# Altium PCB Relay_Ctrl.PcbDoc
Units mil, origin at the board's own origin, x right, y up, seen from the top; angles counter-clockwise.
Board outline 1422.11 x 1516.9 mil, 2 copper layers (Top Layer, Bottom Layer); 18 components, 13 nets, 51 pads, 58 vias.
Unrouted connection lines stored in the file: 16.
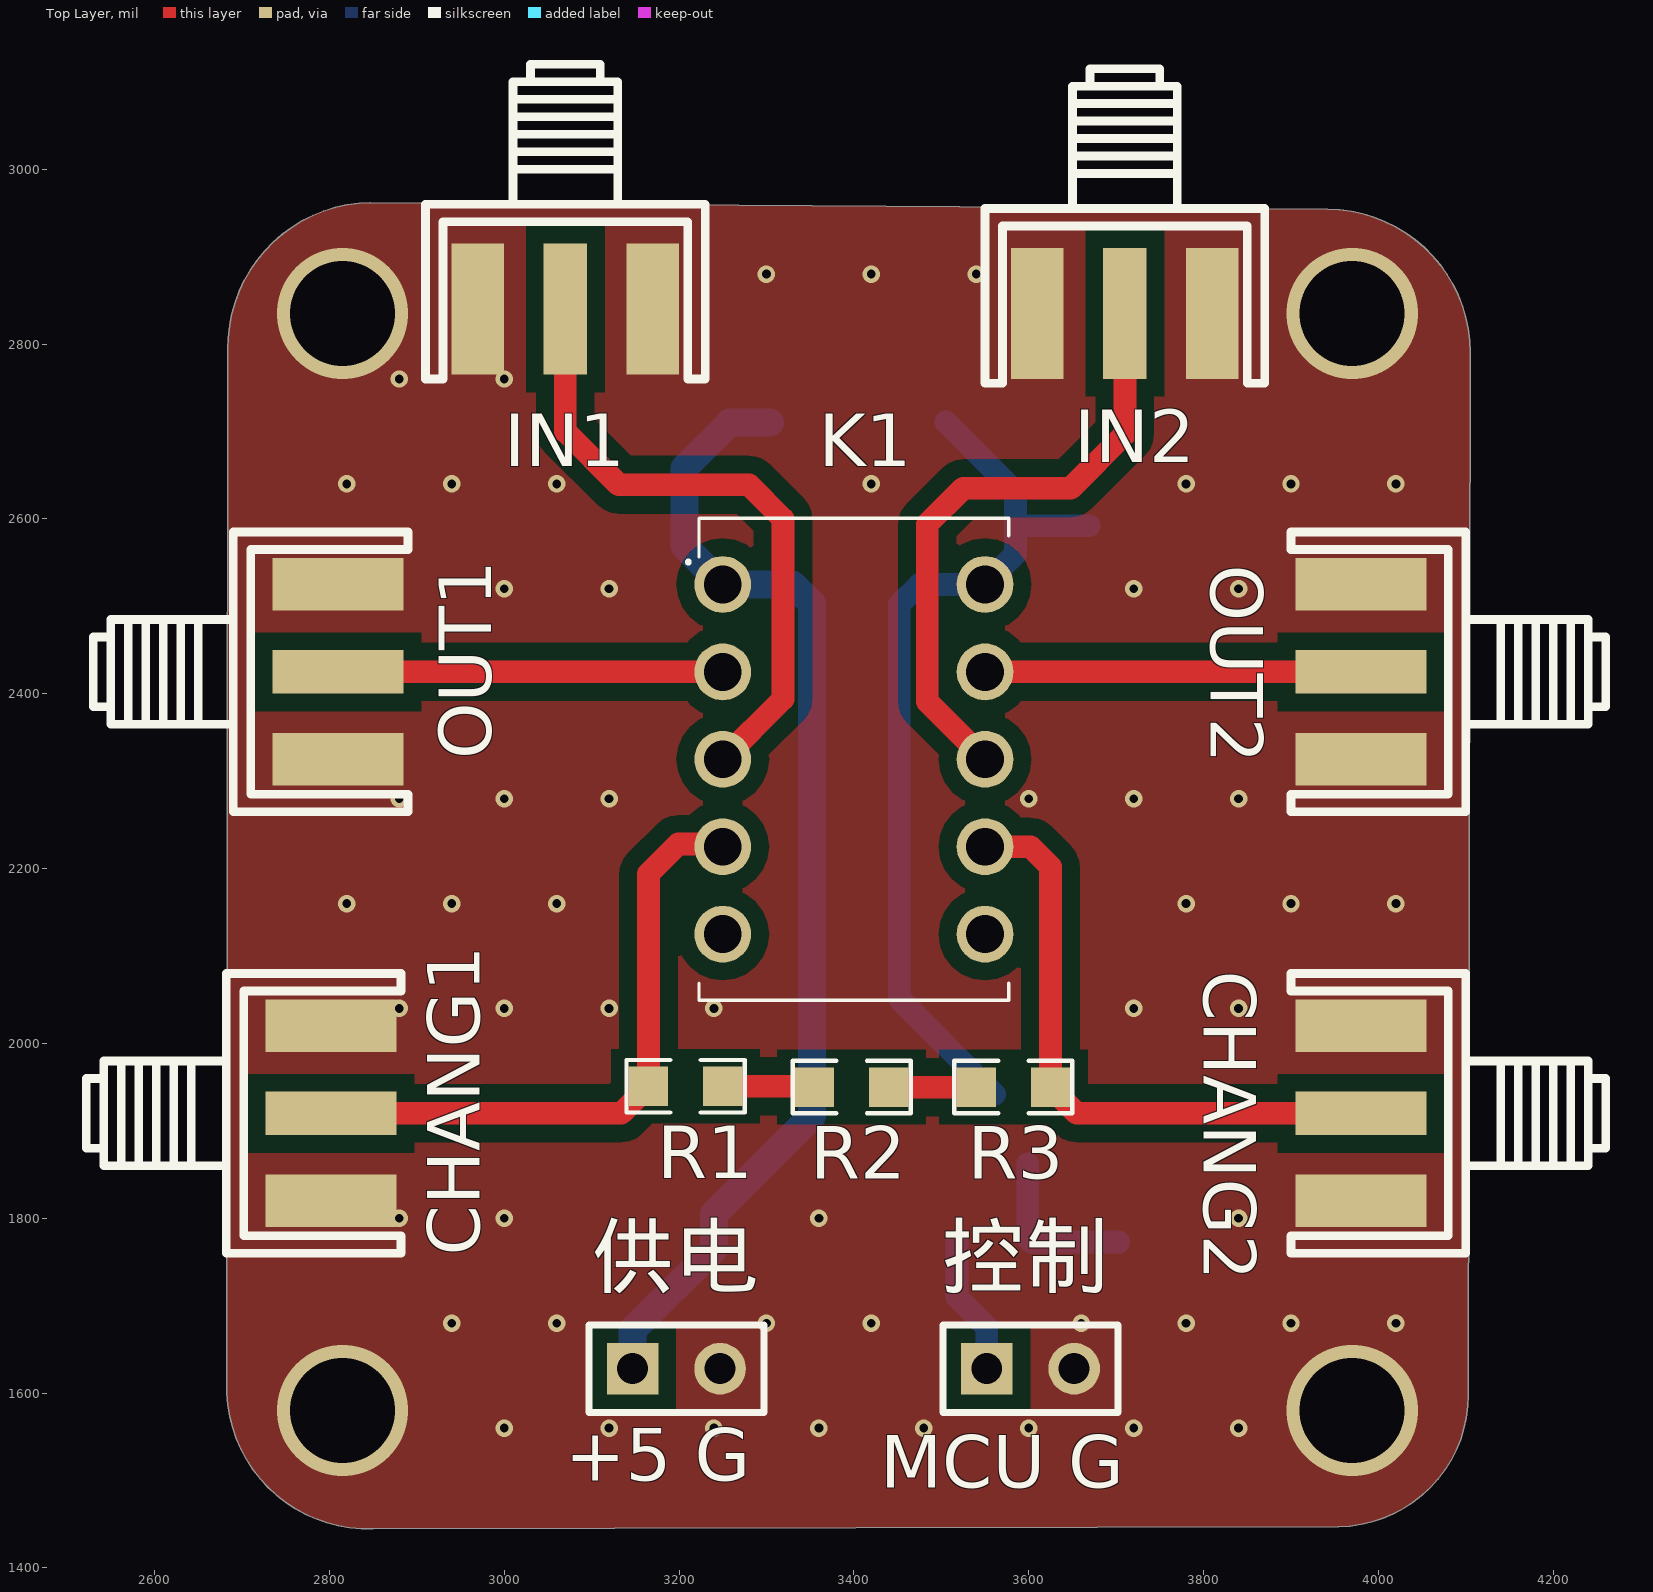
[diagram p0: Top Layer view]
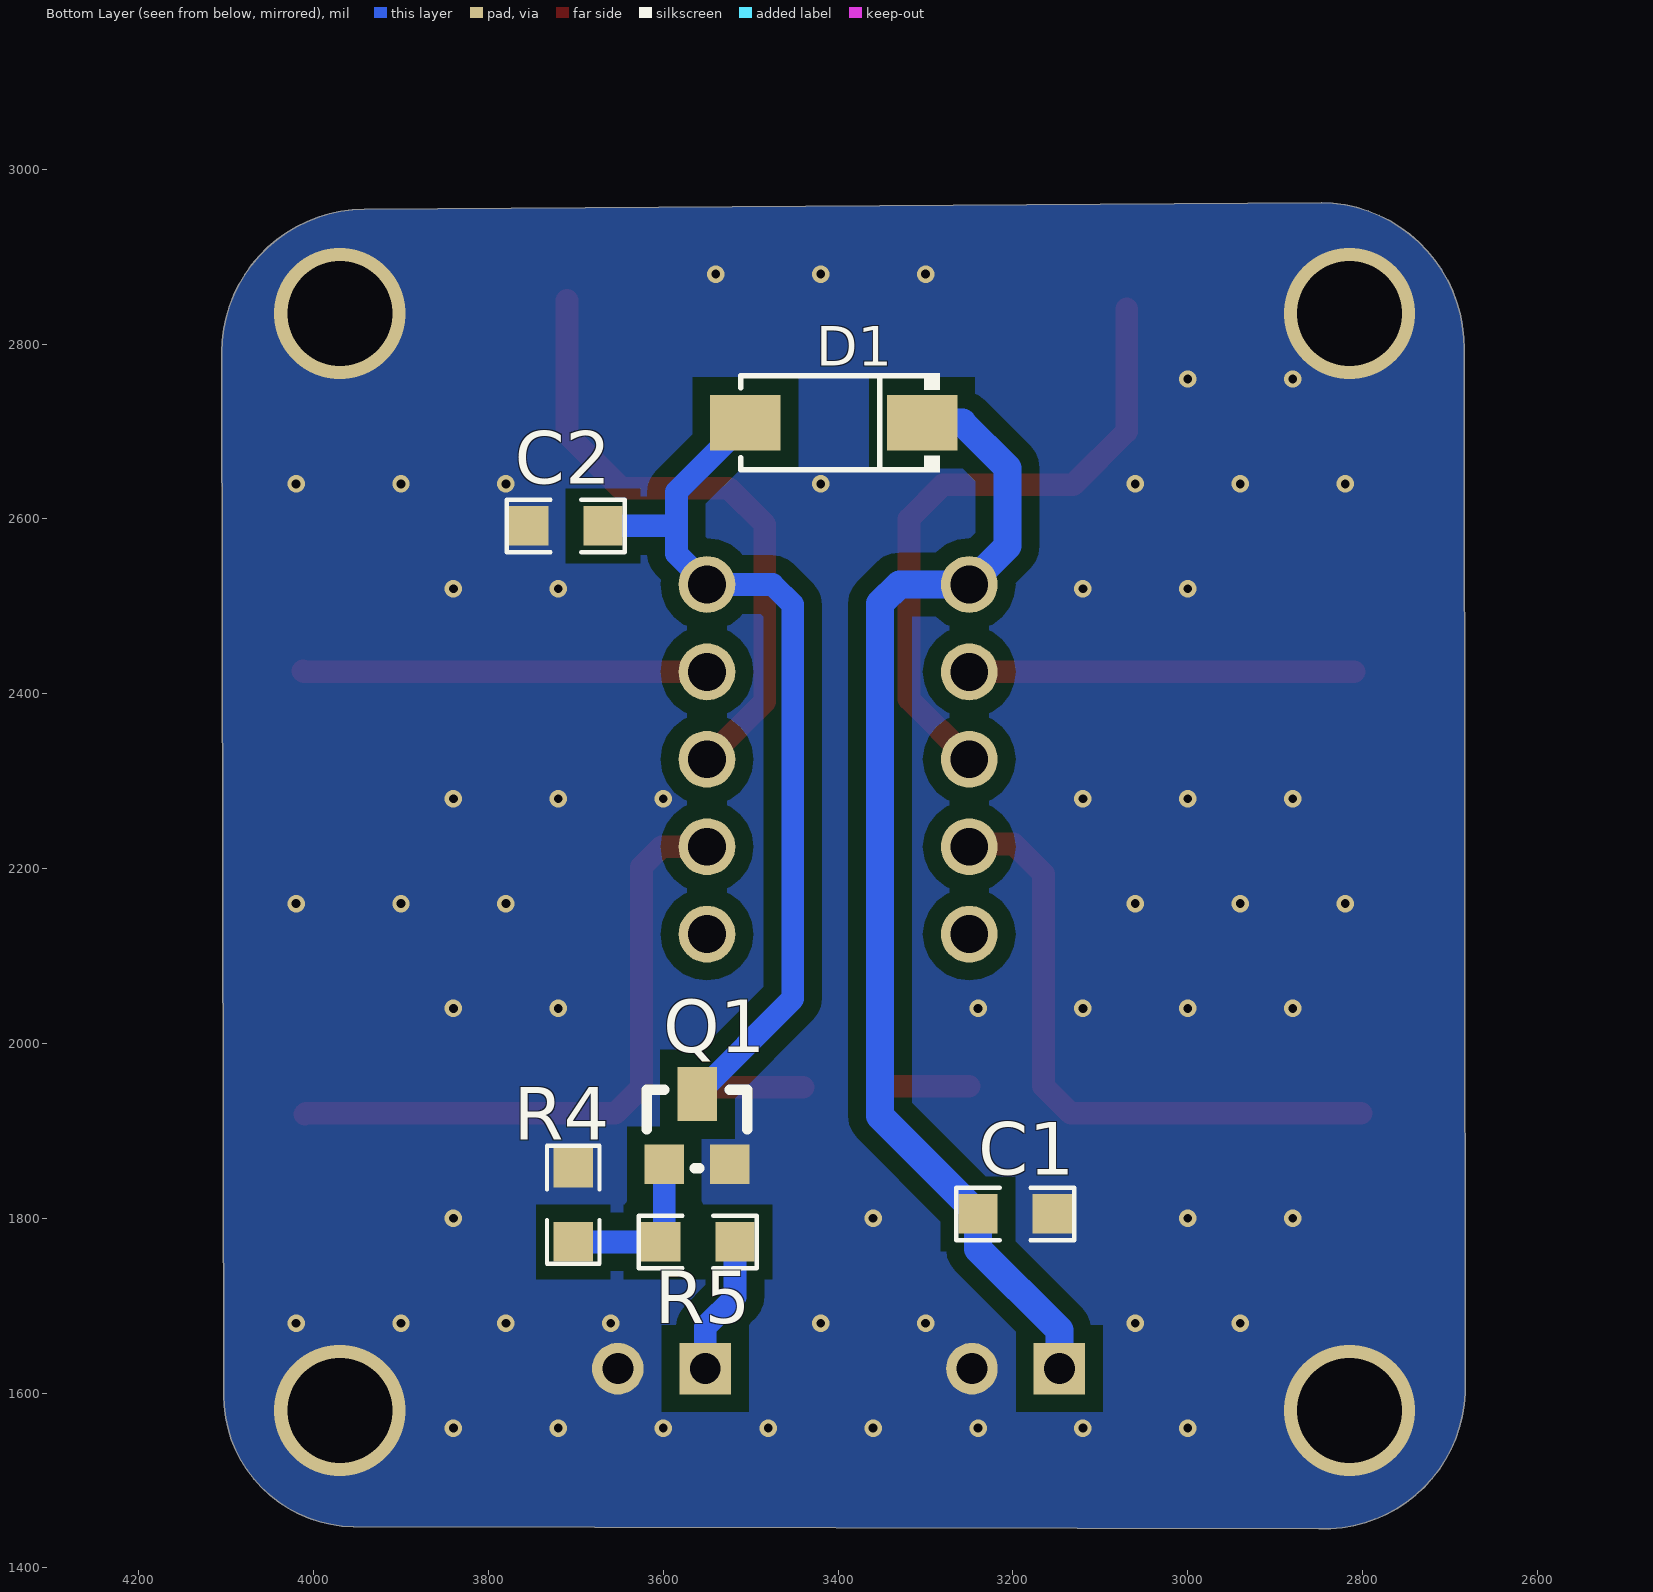
[diagram p1: Bottom Layer view, seen from below]

## Layer stack, top to bottom
Top Solder: solder mask 0.4, Solder Resist, Dk 3.5
Top Layer: signal copper 1.4
Dielectric 1: dielectric 12.6, FR-4, Dk 4.8
Bottom Layer: signal copper 1.4
Bottom Solder: solder mask 0.4, Solder Resist, Dk 3.5

## Board outline
2682.91,1599.81 cw(c2687.92,1600) 2682.91,1600.01 2683.99,2792 cw(c2689,2792) 2684.09,2793 cw(c2689,2794) 2683.99,2793.93 cw(c2849.75,2796.12) 2847.57,2961.88 cw(c2847.63,2956.87) 2847.67,2961.88 3942.03,2954.01 cw(c3941.5,2790.5) 4105.02,2790.5 cw(c3941.5,2790.5) 4105.02,2789.99 ccw(c4100,2790) 4105.02,2790 4105.02,2789.99 4102.84,1600.04 cw(c3952.16,1597.8) 4102.85,1597.8 cw(c3952.16,1597.8) 3954.44,1447.12 cw(c3954.37,1452.13) 3954.38,1447.12 2850.1,1444.99 cw(c2843.96,1606.04)

## Design rules (kind name [scope] priority, off if disabled: settings)
Clearance [All] p1: gap=20 ignorepadtopadclearanceinfootprint=FALSE
PolygonConnect [All] p1: connectstyle=Direct reliefconductorwidth=10 reliefentries=4 polygonreliefangle="90 Angle" airgapwidth=10
RoutingVias [All] p1: holewidth=28 width=50 viastyle="Through Hole" minholewidth=28 minwidth=50 maxholewidth=28 maxwidth=50
SolderMaskExpansion [All] p1: expansion=4
Width [All] p1: maxlimit=50 minlimit=10 preferedwidth=26
30 further rules are at their usual default settings.

## Components (designator, comment, footprint, x,y, rotation, side; value= is the part's Value field where it differs from the comment)
"+5 G" "Header 2" HDR1X2 3147,1628 r0 top (schematic designator POWER1)
C1 "104" 0805D 3235,1805 r180 bottom
C2 "104" 0805D 3674,2592 r0 bottom
CHANG1 "1" SMA1 2802,2020 r0 top
CHANG2 "1" SMA1 3980,1820 r180 top
D1 "SMA_L4.4-W2.8-LS5.4-RD" SMA_L4.4-W2.8-LS5.4-RD 3405,2710 r0 bottom (schematic designator U1)
IN1 "1" SMA1 3170,2840 r270 top
IN2 "1" SMA1 3810,2835 r270 top
K1 "ATQ209" ATQ209 3250,2525 r270 top
"MCU G" "Header 2" HDR1X2 3552,1628 r0 top (schematic designator MCU1)
OUT1 "1" SMA1 2810,2525 r0 top
OUT2 "1" SMA1 3980,2325 r180 top
Q1 "8050" SOT-23 3599,1862 r180 bottom
R1 "1K" 0805D 3170,1951 r0 top
R2 "1K" 0805D 3360,1950 r0 top
R3 "1K" 0805D 3545,1950 r0 top
R4 "Res3" 0805D 3703,1778 r90 bottom value=10K
R5 "Res3" 0805D 3523,1773 r0 bottom value=3.3k

## Footprints (in the part's own frame and the unit in brackets; to place one, negate y for a bottom-side part, rotate by r counter-clockwise, add the part's x,y. Pads: shape width x height; smd on the part's side, far side on the other; paste and mask are expansions set on the pad)
0805D [mil]
  rect 45x45 smd: 1(-5,0) 2(80,0)
  silkscreen extent -30,-30 105,30
ATQ209 [mm]
  round 1.65 hole 1.1: 1(0,0) 2(2.54,0) 3(5.08,0) 4(7.62,0) 5(10.16,0) 6(10.16,7.62) 7(7.62,7.62) 8(5.08,7.62) 9(2.54,7.62) 10(0,7.62)
  silkscreen extent -1.92,-1.05 12.08,8.31, body extent -1.92,-0.69 12.08,8.31, height 5.5
HDR1X2 [mm] "Connector; Header; 2 Position"
  rect 1.5x1.5 hole 0.9: 1(0,0)
  round 1.5 hole 0.9: 2(2.54,0)
  silkscreen extent -1.27,-1.27 3.81,1.27
SMA1 [mil]
  rect 150x50 smd: 1(0,-100)
  rect 150x60 smd: 2(0,-200) 2(0,0)
  silkscreen extent -280,-260 80,60
SMA_L4.4-W2.8-LS5.4-RD [mm]
  rect 2.046x1.62 smd: 1(-2.566,0) 2(2.565,0)
  silkscreen extent -3.08,-1.44 2.7,1.44
SOT-23 [mil]
  rect 45x45 smd: B(0,0) E(75,0)
  rect 45x62 smd: C(38,80)
  silkscreen extent -20,-5 95,85

## Part data
"+5 G" "MCU G": "Header, 2-Pin", LatestRevisionDate=17-Jul-2002, LatestRevisionNote="Re-released for DXP Platform.", Publisher="Altium Limited"
C1 C2: library part C, "无极性贴片电容", 学习资源=www.o
CHANG1 CHANG2 IN1 IN2 OUT1 OUT2: library part SMA-side
K1: "Relay or Contactor", Manufacturer_Name=Panasonic, Datasheet Link=https://www3.panasonic.biz/ac/j/dl/catalog/index.jsp?series_cd=1203&part_no=ATQ209, Height=5.4mm, Manufacturer_Part_Number=ATQ209
Q1: library part NPN, "NPN Bipolar Transistor", Code_JEDEC=TO-226-AA, LatestRevisionDate=17-Jul-2002, LatestRevisionNote="Re-released for DXP Platform.", PackageDescription="TO, Flat Index; 3 In-Line, Axial Leads; Body Dia. 4.8mm; Leads 0.55 x 0.51 mm (max)", PackageReference=TO-226-AA, Published=8-Jun-2000, Publisher="Altium Limited"
R1 R2 R3: library part R, "贴片电阻", 学习资源=www.o
R4 R5: "Resistor", LatestRevisionDate=29-May-2009, LatestRevisionNote="IPC-7351 Footprint Added.", PackageDescription="Chip Resistor", PackageReference=J1-0603, Published=8-Jun-2000, Publisher="Altium Limited"

## Via types
v1: diameter 20, hole 10, Top Layer to Bottom Layer, 54 vias
v2: diameter 150, hole 120, Top Layer to Bottom Layer, 4 vias

## Nets (pads, with @x,y where several pads share a name; then routed paths per layer and width w, separated by ;. In a path a pad name is that pad's centre, name@x,y a point inside that pad or via, vN(x,y) a via of type N, cw(c..) or ccw(c..) an arc to the next point about the centre after c; other vN are vias at no path point)
+5: "+5 G.1" C1.1 D1.1 K1.1 | length 1341.8
  Bottom Layer w32: 3147,1628 3147,1672 3240,1765 C1.1 3352,1917 3352,2503 3330,2525 K1.1 3206,2569 3206,2658 3258,2710 D1.1
GND: "+5 G.2" "MCU G.2" C1.2 C2.2 CHANG1.2 CHANG2.2 IN1.2 IN2.2 OUT1.2 OUT2.2 Q1.E R4.2
  other v1: 3000,1560 3120,1560 3240,1560 3360,1560 3480,1560 3600,1560 3720,1560 3840,1560 2940,1680 3060,1680 3300,1680 3420,1680 3660,1680 3780,1680 3900,1680 4020,1680 2880,1800 3000,1800 3360,1800 3840,1800 2880,2040 3000,2040 3120,2040 3240,2040 3720,2040 3840,2040 2820,2160 2940,2160 3060,2160 3780,2160 3900,2160 4020,2160 2880,2280 3000,2280 3120,2280 3600,2280 3720,2280 3840,2280 3000,2520 3120,2520 3720,2520 3840,2520 2820,2640 2940,2640 3060,2640 3420,2640 3780,2640 3900,2640 4020,2640 2880,2760 3000,2760 3300,2880 3420,2880 3540,2880
  other v2: 2815,1580 3970,1580 2815,2835 3970,2835
NetC2_1: C2.1 D1.2 K1.10 Q1.C | length 1030.3
  Bottom Layer w26: D1.2@3505,2711 D1.2 3585,2631 3585,2592 ; Q1.C 3452,2051 3452,2502 3475,2525 K1.10 3585,2560 3585,2592 ; C2.1 3585,2592
NetCHANG1_1: CHANG1.1 K1.4 R1.1 | length 719.2
  Top Layer w26: CHANG1.1 3134,1920 R1.1 3165,2194 3199,2228 3247,2228 K1.4
NetCHANG2_1: CHANG2.1 K1.7 R3.2 | length 734.4
  Top Layer w26: K1.7 3602,2225 3625,2202 R3.2 3655,1920 CHANG2.1 4009,1920 CHANG2.1@4010,1919
NetIN1_1: IN1.1 K1.3 | length 734
  Top Layer w26: IN1.1 3070,2700 3131,2639 3280,2639 3319,2600 3319,2394 K1.3
NetIN2_1: IN2.1 K1.8 | length 718
  Top Layer w26: K1.8 3484,2391 3484,2594 3525,2635 3648,2635 3710,2697 IN2.1 IN2.1@3710,2850
NetK1_2: K1.2 OUT1.1 | length 440
  Top Layer w26: OUT1.1 K1.2
NetK1_9: K1.9 OUT2.1 | length 462.4
  Top Layer w26: K1.9 OUT2.1 4011,2425 OUT2.1@4012,2426
NetMCU1_1: "MCU G.1" R5.1 | length 159.1
  Bottom Layer w26: R5.1 3518,1710 3552,1676 3552,1628
NetQ1_2: Q1.B R4.1 R5.2 | length 190.7
  Bottom Layer w26: Q1.B 3599,1777 R5.2 R4.1
NetR1_2: R1.2 R2.1 | length 105.4
  Top Layer w26: R1.2 3354,1951 R2.1
NetR2_2: R2.2 R3.1 | length 100
  Top Layer w26: R2.2 R3.1
pads on no net: K1.5 K1.6

## Polygon pours and split planes (outlines as drawn)
GND on Bottom Layer "Top Layer-No Net1" (solid, remove dead copper, pour order 3): 2682.91,1599.81 cw(c2687.92,1600) 2682.91,1600.01 2683.99,2792 cw(c2689,2792) 2684.09,2793 cw(c2689,2794) 2683.99,2793.93 cw(c2849.75,2796.12) 2847.57,2961.88 cw(c2847.63,2956.87) 2847.67,2961.88 3942.03,2954.01 cw(c3941.5,2790.5) 4105.02,2790.5 cw(c3941.5,2790.5) 4105.02,2789.99 ccw(c4100,2790) 4105.02,2790 4105.02,2789.99 4102.84,1600.04 cw(c3952.16,1597.8) 4102.85,1597.8 cw(c3952.16,1597.8) 3954.44,1447.12 cw(c3954.36,1452.14) 3954.38,1447.12 2850.1,1444.99 cw(c2843.96,1606.04)
GND on Top Layer "Top Layer-No Net" (solid, remove dead copper, pour order 2): 2682.91,1599.81 cw(c2687.92,1600) 2682.91,1600.01 2683.99,2792 cw(c2689,2792) 2684.09,2793 cw(c2689,2794) 2683.99,2793.93 cw(c2849.75,2796.12) 2847.57,2961.88 cw(c2847.63,2956.87) 2847.67,2961.88 3942.03,2954.01 cw(c3941.5,2790.5) 4105.02,2790.5 cw(c3941.5,2790.5) 4105.02,2789.99 ccw(c4100,2790) 4105.02,2790 4105.02,2789.99 4102.84,1600.04 cw(c3952.16,1597.8) 4102.85,1597.8 cw(c3952.16,1597.8) 3954.44,1447.12 cw(c3954.36,1452.14) 3954.38,1447.12 2850.1,1444.99 cw(c2843.96,1606.04)

## Silkscreen, mask and mechanical layers (free items; w line width, h text height)
Top Overlay:
  text "供电" at 3100,1700 h120
  text "控制" at 3500,1700 h120
Bottom Solder:
  drawing of 989 lines, arcs and shapes, not listed
Mechanical 1:
  lines w10: 2689,2792 2687.92,1600 ccw(c2843.96,1606.04) 2850,1450 3954.37,1452.13 ccw(c3952.16,1597.8) 4097.82,1600 4100,2790 ccw(c3941.5,2790.5) 3942,2949 2847.63,2956.87 ccw(c2849.75,2796.12) 2689,2794